# Altium PCB PCB1.PcbDoc (part 1 of 2)
Units mm, origin at the board's own origin, x right, y up, seen from the top; angles counter-clockwise.
Board outline 100.25 x 60.33 mm, 2 copper layers (Top Layer, Bottom Layer); 66 components, 155 nets, 397 pads, 41 vias.
Unrouted connection lines stored in the file: 16.
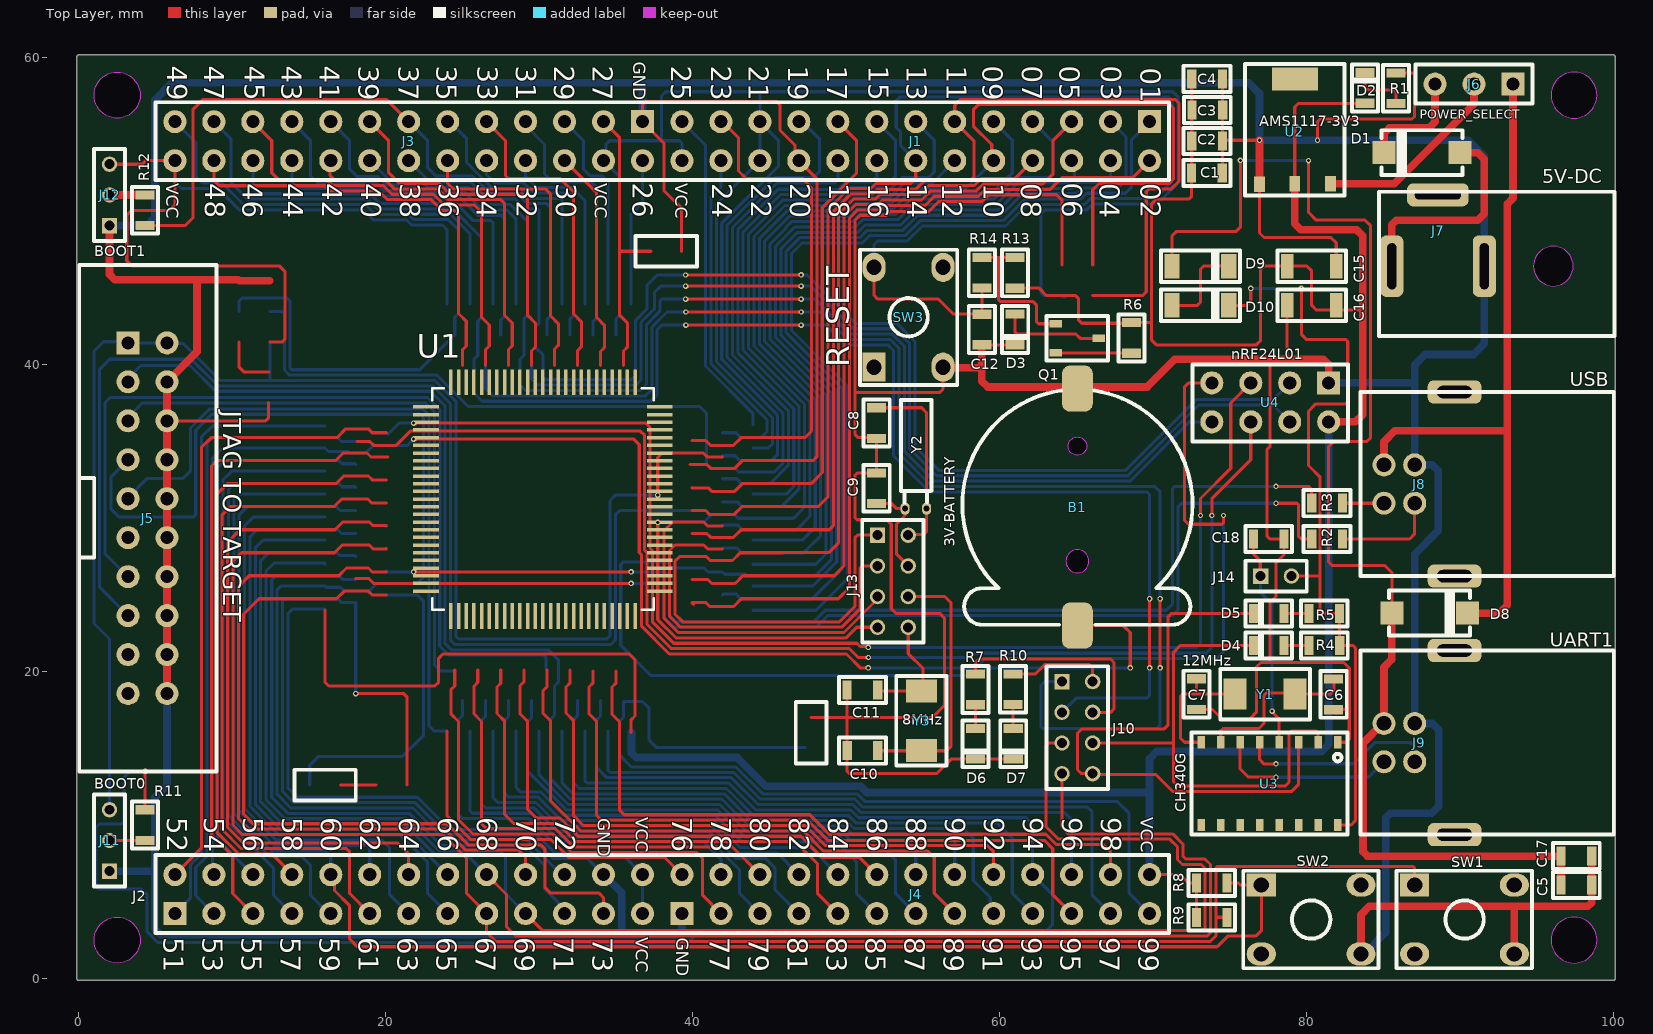
[diagram p0: Top Layer view]
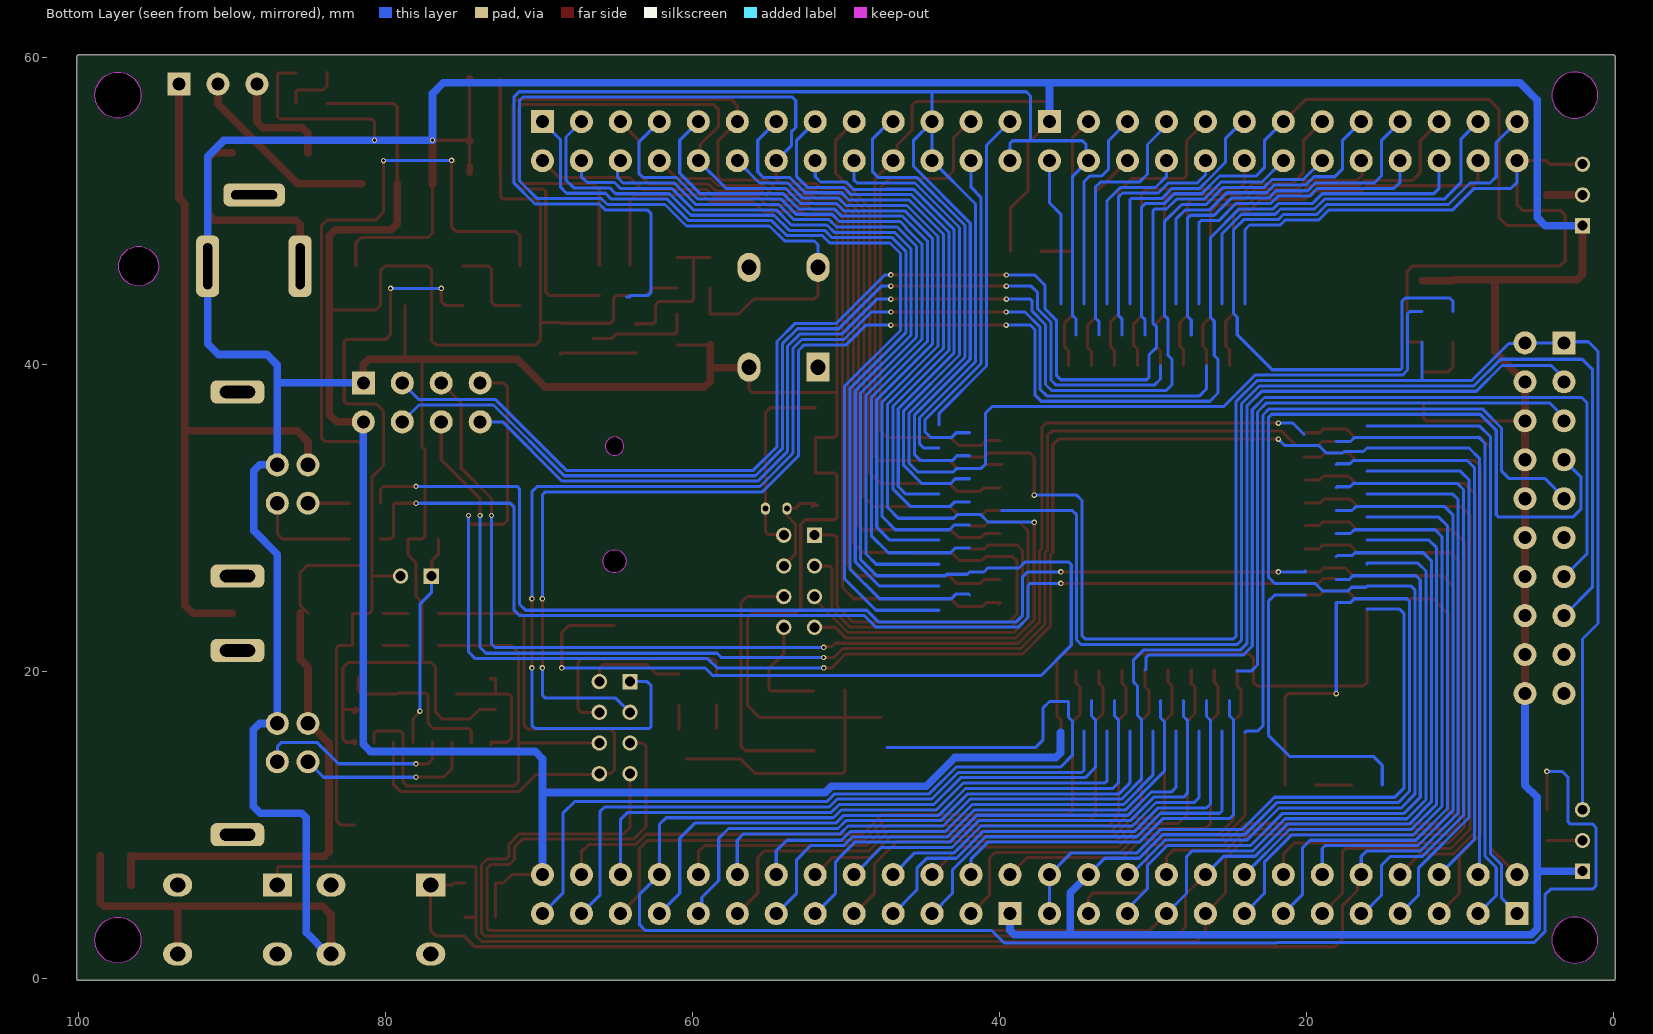
[diagram p1: Bottom Layer view, seen from below]

## Layer stack, top to bottom
Top Solder: solder mask 0.0102, Solder Resist, Dk 3.5
Top Layer: signal copper 0.0356
Dielectric 1: dielectric 0.32, FR-4, Dk 4.8
Bottom Layer: signal copper 0.0356
Bottom Solder: solder mask 0.0102, Solder Resist, Dk 3.5

## Board outline
0,-0.127 cw(c0,0) -0.127,0 -0.127,60 cw(c0,60) -0.122,60.036 -0.122,60.035 cw(c0,60.071) 0,60.198 100,60.198 cw(c100,60.071) 100.127,60.071 100.127,0.071 cw(c100,0.071) 100.122,0.036 100.122,0.035 cw(c100,0) 100.127,0 cw(c100,0) 100,-0.127
cut-out: 95.949,57.571 ccw(c97.449,57.571) 97.449,56.071 ccw(c97.449,57.571) 98.949,57.571 ccw(c97.449,57.571) 97.449,59.071 ccw(c97.449,57.571)
cut-out: 2.5,56.071 cw(c2.5,57.571) 1,57.571 cw(c2.5,57.571) 2.5,59.071 cw(c2.5,57.571) 4,57.571 cw(c2.5,57.571)
cut-out: 2.5,1 cw(c2.5,2.5) 1,2.5 cw(c2.5,2.5) 2.5,4 cw(c2.5,2.5) 4,2.5 cw(c2.5,2.5)
cut-out: 95.949,2.5 ccw(c97.449,2.5) 97.449,1 ccw(c97.449,2.5) 98.949,2.5 ccw(c97.449,2.5) 97.449,4 ccw(c97.449,2.5)
cut-out: 65.583,27.784
cut-out: 2.207,59.042

## Design rules (kind name [scope] priority, off if disabled: settings)
Clearance [All] p1: gap=0.15 ignorepadtopadclearanceinfootprint=FALSE
PolygonConnect [All] p1: connectstyle=Relief reliefconductorwidth=0.254 reliefentries=4 polygonreliefangle="90 Angle" airgapwidth=0.254
RoutingVias [All] p1: holewidth=0.2 width=0.35 viastyle="Through Hole" minholewidth=0.2 minwidth=0.35 maxholewidth=0.2 maxwidth=0.35
SolderMaskExpansion [All] p1: expansion=0.102
Width [All] p1: maxlimit=0.5 minlimit=0.2 preferedwidth=0.2
30 further rules are at their usual default settings.

## Components (designator, comment, footprint, x,y, rotation, side; value= is the part's Value field where it differs from the comment)
B1 "3V-BATTERY" CR1220 65.084,30.896 r0 top
C1 "103" C0805 73.525,52.5 r180 top
C2 "103" C0805 73.533,54.576 r180 top
C3 "103" C0805 73.549,56.608 r180 top
C4 "103" C0805 73.533,58.64 r180 top
C5 "103" C0805 97.597,6.1 r0 top
C6 "22pF" C0805 81.788,18.52 r90 top
C7 "22pF" C0805 72.84,18.536 r90 top
C8 "22pF" C0805 52,36.2 r270 top
C9 "22pF" C0805 52,31.95 r90 top
C10 "22pF" C0805 51.075,14.85 r180 top
C11 "22pF" C0805 51.075,18.8 r180 top
C12 "103" C0805 58.85,42.3 r270 top
C15 "104" C1206 80.35,46.425 r180 top
C16 "104" C1206 80.35,43.875 r180 top
C17 "103" C0805 97.597,7.992 r0 top
C18 "100nF" C0805 77.55,28.65 r180 top
D1 "1N4007" DO-214AC(SMA) 85.575,53.825 r0 top
D2 "LED0805" L0805RED 84.455,58.039 r90 top
D3 "LED0805" L0805RED 60.401,42.301 r270 top
D4 "LED0805" L0805RED 77.55,22.325 r180 top
D5 "LED0805" L0805RED 77.55,24.425 r180 top
D6 "LED0805" L0805RED 57.81,15.3 r270 top
D7 "LED0805" L0805RED 60.275,15.3 r270 top
D8 "1N4007" DO-214AC(SMA) 90.005,23.825 r180 top
D9 "1N4148" SOD-80 73.1,46.425 r0 top
D10 "1N4148" SOD-80 73.1,43.875 r0 top
J1 "Header 13x2 TH Pitch 2.54mm" "Header 13x2 TH Pitch 2.54mm" 54.546,54.571 r270 top
J2 "Header 13x2 TH Pitch 2.54mm" "Header 13x2 TH Pitch 2.54mm" 21.5,5.5 r90 top
J3 "Header 13x2 TH Pitch 2.54mm" "Header 13x2 TH Pitch 2.54mm" 21.5,54.571 r270 top
J4 "Header 13x2 TH Pitch 2.54mm" "Header 13x2 TH Pitch 2.54mm" 54.546,5.5 r90 top
J5 "JTAG TO TARGET" IDC_CONNECTOR_20_2.54 4.48,30 r0 top
J6 "POWER_SELECT" "Header 3x1 TH Pitch 2.54mm" 90.932,58.293 r180 top
J7 "5V-DC" DC_JACK_161-0721 91.6,46.425 r90 top
J8 "USB" USB-B-TYPE 86.062,32.227 r180 top
J9 "UART1" USB-B-TYPE 86.062,15.375 r180 top
J10 "PIN_HEADER_4X2_PITCH_2MM_HEIGTH_5MM" PIN_HEADER_4X2_PITCH_2MM_HEIGTH_5MM 65.075,16.35 r0 top
J11 "BOOT0" PIN_HEADER_1X3_PITCH_2MM_HEIGTH_5MM 2,9 r90 top
J12 "BOOT1" PIN_HEADER_1X3_PITCH_2MM_HEIGTH_5MM 2,51.071 r90 top
J13 "PIN_HEADER_4X2_PITCH_2MM_HEIGTH_5MM" PIN_HEADER_4X2_PITCH_2MM_HEIGTH_5MM 53.056,25.892 r0 top
J14 "3V3-TTL/5V-TTL" PIN_HEADER_2X1_PITCH_2MM_HEIGTH_5MM 78.026,26.227 r0 top
Q1 "2N3906" SOT23-3 65.075,41.725 r270 top
R1 "120" R0805 85.852,59.023 r90 top
R2 "22" R0805 80.35,28.65 r180 top
R3 "22" R0805 80.35,30.977 r180 top
R4 "1K5" R0805 80.175,21.7 r180 top
R5 "1K5" R0805 80.169,23.8 r180 top
R6 "120" R0805 68.6,40.75 r270 top
R7 "120" R0805 58.446,19.841 r90 top
R8 "10k" R0805 72.84,6.223 r180 top
R9 "10k" R0805 72.84,3.992 r180 top
R10 "120" R0805 60.875,19.85 r90 top
R11 "1k" R0805 4.318,9 r270 top
R12 "1k" R0805 4.318,51.071 r90 top
R13 "8K2" R0805 61.015,46.99 r90 top
R14 "1K" R0805 58.85,47 r90 top
SW1 "Button Hole" BUTTON_HOLE_5.0mm 90.312,3.846 r90 top
SW2 "Button Hole" BUTTON_HOLE_5.0mm 80.316,3.846 r90 top
SW3 "RESET" BUTTON_HOLE_5.0mm 54.075,43.1 r180 top
U1 "TM4C123GH6P" PZ100-M 30.25,31.25 r0 top
U2 "AMS1117-3V3" SOT223-3 79.248,55.245 r0 top
U3 "CH340G" SOP16_1.27_3.8 77.595,12.7 r270 top
U4 "nRF24L01" "Header 4x2 TH Pitch 2.54mm" 77.65,37.55 r270 top
Y1 "12MHz" SMD5032 79.267,18.542 r0 top
Y2 "32.768KHz" DT-26 54.55,30.475 r270 top
Y3 "8MHz" SMD5032 54.926,14.846 r270 top

## Footprints (in the part's own frame and the unit in brackets; to place one, negate y for a bottom-side part, rotate by r counter-clockwise, add the part's x,y. Pads: shape width x height; smd on the part's side, far side on the other; paste and mask are expansions set on the pad)
BUTTON_HOLE_5.0mm [mm]
  rect 1.5x1.9 hole 1: 1(2.25,3.25)
  oval 1.5x1.9 hole 1: 2(2.25,-3.25) 3(-2.25,3.25) 4(-2.25,-3.25)
  silkscreen extent -3.18,-4.4 3.18,4.43, body extent -3,-3.86 3,3.86, height 5
C0805 [mm]
  rect 0.6x1.24 smd: 1(-1,0) 2(1,0)
  silkscreen extent -1.52,-0.85 1.53,0.85, body extent -1,-0.6 1,0.6, height 1
C1206 [mm]
  rect 0.8x1.6 smd: 1(-1.6,0) 2(1.6,0)
  silkscreen extent -2.23,-1.02 2.22,1.02, body extent -1.6,-0.8 1.6,0.8, height 0.75
CR1220 [mm]
  rrect50% 2x3 smd: 1(0,-7.9) 2(0,7.55)
  Keep-Out Layer board cut-out: -0.75,-3.7 -0.693,-3.987 -0.53,-4.23 -0.287,-4.393 0,-4.45 0,-4.45 0.287,-4.393 0.53,-4.23 0.693,-3.987 0.75,-3.7 0.75,-3.7 0.693,-3.413 0.53,-3.17 0.287,-3.007 0,-2.95 0,-2.95 -0.287,-3.007 -0.53,-3.17 -0.693,-3.413 -0.75,-3.7
  Keep-Out Layer board cut-out: 0,3.2 -0.23,3.246 -0.424,3.376 -0.554,3.57 -0.6,3.8 -0.6,3.8 -0.554,4.03 -0.424,4.224 -0.23,4.354 0,4.4 0,4.4 0.23,4.354 0.424,4.224 0.554,4.03 0.6,3.8 0.6,3.8 0.554,3.57 0.424,3.376 0.23,3.246 0,3.2
  silkscreen extent -7.5,-7.84 7.5,7.43, body extent -7.5,-9.42 7.5,9.07, height 4.04
DC_JACK_161-0721 [mm]
  rrect50% 4x1.5 hole 0.6 slot 3 at 0 deg: 1(0,6.025) 2(0,0)
  rrect50% 1.5x4 hole 0.6 slot 3 at 90 deg: 3(4.65,3.025)
  Keep-Out Layer board cut-out: -1.3,-4.5 -1.201,-4.997 -0.919,-5.419 -0.497,-5.701 0,-5.8 0,-5.8 0.497,-5.701 0.919,-5.419 1.201,-4.997 1.3,-4.5 1.3,-4.5 1.201,-4.003 0.919,-3.581 0.497,-3.299 0,-3.2 0,-3.2 -0.497,-3.299 -0.919,-3.581 -1.201,-4.003 -1.3,-4.5
  silkscreen extent -4.55,-8.48 4.85,6.85, body extent -4.53,-8.5 4.83,6.8, height 11.5
DO-214AC(SMA) [mm]
  rect 1.5x1.5 smd: 1(4.43,0) 2(-0.5,0)
  silkscreen extent -0.67,-1.5 4.61,1.5, body extent -0.67,-1.46 4.61,1.46, height 2.41
DT-26 [mm]
  oval 0.8x0.6 hole 0.4: 1(-0.15,0.7) 2(-0.15,-0.7)
  silkscreen extent -7.24,-0.98 -0.54,1.02, body extent -7.14,-1 0,1, height 2
"Header 3x1 TH Pitch 2.54mm" [mm]
  rect 1.5x1.5 hole 0.85: 1(-2.54,0)
  round 1.5 hole 0.85: 2(0,0) 3(2.54,0)
  body extent -3.81,-1.27 3.81,1.27, height 8.89
"Header 4x2 TH Pitch 2.54mm" [mm]
  rect 1.5x1.5 hole 0.85: 1(-1.27,3.81)
  round 1.5 hole 0.85: 2(1.27,3.81) 3(-1.27,1.27) 4(1.27,1.27) 5(-1.27,-1.27) 6(1.27,-1.27) 7(-1.27,-3.81) 8(1.27,-3.81)
  body extent -2.54,-5.08 2.54,5.08, height 8.89
"Header 13x2 TH Pitch 2.54mm" [mm]
  rect 1.5x1.5 hole 0.85: 1(-1.27,15.24)
  round 1.5 hole 0.85: 2(1.27,15.24) 3(-1.27,12.7) 4(1.27,12.7) 5(-1.27,10.16) 6(1.27,10.16) 7(-1.27,7.62) 8(1.27,7.62) 9(-1.27,5.08) 10(1.27,5.08) 11(-1.27,2.54) 12(1.27,2.54) 13(-1.27,0) 14(1.27,0) 15(-1.27,-2.54) 16(1.27,-2.54) 17(-1.27,-5.08) 18(1.27,-5.08) 19(-1.27,-7.62) 20(1.27,-7.62) 21(-1.27,-10.16) 22(1.27,-10.16) 23(-1.27,-12.7) 24(1.27,-12.7) 25(-1.27,-15.24) 26(1.27,-15.24)
  body extent -2.54,-16.51 2.54,16.51, height 8.89
IDC_CONNECTOR_20_2.54 [mm]
  rect 1.5x1.5 hole 0.85: 1(-1.27,11.43)
  round 1.5 hole 0.85: 2(1.27,11.43) 3(-1.27,8.89) 4(1.27,8.89) 5(-1.27,6.35) 6(1.27,6.35) 7(-1.27,3.81) 8(1.27,3.81) 9(-1.27,1.27) 10(1.27,1.27) 11(-1.27,-1.27) 12(1.27,-1.27) 13(-1.27,-3.81) 14(1.27,-3.81) 15(-1.27,-6.35) 16(1.27,-6.35) 17(-1.27,-8.89) 18(1.27,-8.89) 19(-1.27,-11.43) 20(1.27,-11.43)
  silkscreen extent -4.45,-16.5 4.5,16.5, body extent -4.47,-16.6 4.42,16.6, height 9
L0805RED [mm]
  rect 0.6x1.24 smd: 1(-1,0.625) 2(1,0.625)
  silkscreen extent -1.53,-0.23 1.52,1.47, body extent -1,0 1,1.25, height 1.1
PIN_HEADER_1X3_PITCH_2MM_HEIGTH_5MM [mm]
  rect 1x1 hole 0.65: 1(-2,0)
  round 1 hole 0.65: 2(0,0) 3(2,0)
  body extent -3,-1 3,1, height 6.01
PIN_HEADER_2X1_PITCH_2MM_HEIGTH_5MM [mm]
  rect 1x1 hole 0.65: 1(-1,0)
  round 1 hole 0.65: 2(1,0)
  silkscreen extent -2,-1 2,1, body extent -2,-1 2,1, height 6.01
PIN_HEADER_4X2_PITCH_2MM_HEIGTH_5MM [mm]
  rect 1x1 hole 0.65: 1(-1,3)
  round 1 hole 0.65: 2(1,3) 3(-1,1) 4(1,1) 5(-1,-1) 6(1,-1) 7(-1,-3) 8(1,-3)
  silkscreen extent -2,-4 2,4, body extent -2,-4 2,4, height 6.01
PZ100-M [mil]
  rect 66x9 smd paste+0 mask+0: 1(-300,236.22) 2(-300,216.54) 3(-300,196.85) 4(-300,177.17) 5(-300,157.48) 6(-300,137.8) 7(-300,118.11) 8(-300,98.43) 9(-300,78.74) 10(-300,59.06) 11(-300,39.37) 12(-300,19.69) 13(-300,0) 14(-300,-19.68) 15(-300,-39.37) 16(-300,-59.06) 17(-300,-78.74) 18(-300,-98.43) 19(-300,-118.11) 20(-300,-137.8) 21(-300,-157.48) 22(-300,-177.17) 23(-300,-196.85) 24(-300,-216.54) 25(-300,-236.22) 51(300,-236.22) 52(300,-216.54) 53(300,-196.85) 54(300,-177.17) 55(300,-157.48) 56(300,-137.8) 57(300,-118.11) 58(300,-98.43) 59(300,-78.74) 60(300,-59.06) 61(300,-39.37) 62(300,-19.68) 63(300,0) 64(300,19.68) 65(300,39.37) 66(300,59.06) 67(300,78.74) 68(300,98.43) 69(300,118.11) 70(300,137.8) 71(300,157.48) 72(300,177.17) 73(300,196.85) 74(300,216.54) 75(300,236.22)
  rect 9x66 smd paste+0 mask+0: 26(-236.22,-300) 27(-216.54,-300) 28(-196.85,-300) 29(-177.17,-300) 30(-157.48,-300) 31(-137.8,-300) 32(-118.11,-300) 33(-98.43,-300) 34(-78.74,-300) 35(-59.06,-300) 36(-39.37,-300) 37(-19.68,-300) 38(0,-300) 39(19.68,-300) 40(39.37,-300) 41(59.06,-300) 42(78.74,-300) 43(98.43,-300) 44(118.11,-300) 45(137.8,-300) 46(157.48,-300) 47(177.17,-300) 48(196.85,-300) 49(216.54,-300) 50(236.22,-300) 76(236.22,300) 77(216.54,300) 78(196.85,300) 79(177.17,300) 80(157.48,300) 81(137.8,300) 82(118.11,300) 83(98.43,300) 84(78.74,300) 85(59.06,300) 86(39.37,300) 87(19.68,300) 88(0,300) 89(-19.68,300) 90(-39.37,300) 91(-59.06,300) 92(-78.74,300) 93(-98.43,300) 94(-118.11,300) 95(-137.8,300) 96(-157.48,300) 97(-177.17,300) 98(-196.85,300) 99(-216.54,300) 100(-236.22,300)
  silkscreen extent -285,-284 284,284, body extent -319,-319 319,319, height 63
R0805 [mm]
  rect 0.6x1.24 smd: 1(-2,0) 2(0,0)
  silkscreen extent -2.52,-0.85 0.53,0.85, body extent -2,-0.62 0,0.62, height 0.45
SMD5032 [mm]
  rect 1.5x2 smd: 1(-3.9,0) 2(0,0)
  silkscreen extent -4.87,-1.65 0.97,1.63, body extent -4.45,-1.6 0.55,1.6, height 1.2
SOD-80 [mm]
  rect 1x1.6 smd: 1(-1.85,0) 2(1.85,0)
  silkscreen extent -2.58,-1.02 2.58,1.02, body extent -1.82,-0.8 1.88,0.8, height 1.6
SOP16_1.27_3.8 [mm]
  rect 0.8x0.5 smd: 1(-2.7,4.445) 2(-2.7,3.175) 3(-2.7,1.905) 4(-2.7,0.635) 5(-2.7,-0.635) 6(-2.7,-1.905) 7(-2.7,-3.175) 8(-2.7,-4.445) 9(2.7,-4.445) 10(2.7,-3.175) 11(2.7,-1.905) 12(2.7,-0.635) 13(2.7,0.635) 14(2.7,1.905) 15(2.7,3.175) 16(2.7,4.445)
  silkscreen extent -3.32,-5.08 3.32,5.08, body extent -3.12,-4.99 3.12,4.99, height 1.59
SOT23-3 [mm]
  rect 0.5x0.8 smd: 1(-0.95,-1.4) 2(0.95,-1.4) 3(0,1.4)
  silkscreen extent -1.45,-2 1.45,2, body extent -1.45,-1.4 1.45,1.4, height 1.3
SOT223-3 [mm]
  rect 0.7x1 smd: 1(-2.3,-3.475) 2(0,-3.45) 3(2.325,-3.45)
  rect 3x1.5 smd: 4(0,3.375)
  silkscreen extent -3.25,-4.2 3.25,4.35, body extent -3.25,-3.5 3.25,3.5, height 1.7
USB-B-TYPE [mm]
  round 1.5 hole 0.95: 1(1,-1.25) 2(1,1.25) 3(-1,1.25) 4(-1,-1.25)
  rrect50% 3.5x1.5 hole 0.8 slot 2.3 at 0 deg: S1(-3.6,6) S2(-3.6,-6)
  silkscreen extent -13.98,-6 2.52,6, body extent -13.97,-7.42 2.53,7.37, height 11

## Part data
B1: library part Batery
C1 C2 C3 C4 C5 C6 C7 C8 C9 C10 C11 C12 C17: library part C0805
C15 C16: library part C1206
C18: library part Capacitors(SMD)
D1 D8: library part "Diode 1N4007-DO214AC(SMA)"
D9 D10: library part "1N4148 (SOD-80)"
J5: library part IDC_2.54_10x2
J6: library part "Header 3x1 TH Pitch 2.54mm"
J7: library part JackDC
J8 J9: library part "USB B Type"
J11 J12: library part PIN_HEADER_1X3_PITCH_2MM_HEIGTH_5MM
J14: library part PIN_HEADER_2X1_PITCH_2MM_HEIGTH_5MM
R1 R2 R3 R4 R5 R7 R10: library part R0805
R6 R8 R9 R11 R12 R13 R14: library part "Resistor SMD"
SW3: library part "Button Hole"
U2: library part AMS1117(SOT-223)
U4: library part "Header 4x2 TH Pitch 2.54mm"
Y1 Y3: library part Crystal
Y2: library part "Crystal 32.768KHz"

## Via types
v1: diameter 0.35, hole 0.2, Top Layer to Bottom Layer, 41 vias

## Nets (pads, with @x,y where several pads share a name; then routed paths per layer and width w, separated by ;. In a path a pad name is that pad's centre, name@x,y a point inside that pad or via, vN(x,y) a via of type N, cw(c..) or ccw(c..) an arc to the next point about the centre after c; other vN are vias at no path point)
3V3: C1.2 C2.2 C3.2 C4.2 C15.2 C16.1 D2.1 J1.26 J2.26 J5.1 J5.2 J11.3 J12.3 R6.1 R8.2 R9.2 R13.1 U2.2 U4.2 | length 507.5
  Top Layer w0.2: J12.3@2,53.071 4.125,53.071 4.355,53.301 6.26,53.301 6.26,50.416 5.91,50.066 3.452,50.066 3.125,49.739 3.125,46.777 3.452,46.45 13.066,46.45 13.425,46.091 13.425,41.656 13.244,41.475 12.45,41.475 ; v1(37.731,31.5) 37.731,33.956 38.025,34.25 39.539,34.25 40.361,34.25 40.706,34.25 40.956,34 41.95,34 ; R13.1@61.015,44.99 62.592,44.99 63.073,44.509 64.084,44.509 64.964,44.509 65.143,44.33 65.143,42.934 65.371,42.707 R6.1@68.564,42.707 ; R6.1@68.6,42.75 69.875,42.75 69.917,42.792 ; 69.786,6.77 71.774,6.77 72.321,6.223 R8.2@72.84,6.223 R9.2@72.84,3.992 ; C4.2@72.533,58.64 C2.2@72.533,54.576 72.533,52.508 C1.2@72.525,52.5 72.525,50.983 72.336,50.794 70.225,50.794 69.917,50.486 69.917,42.792 ; U2.2@79.248,51.795 79.248,56.798 79.489,57.039 D2.1@83.83,57.039 ; 83.67,43.575 80.645,43.575 80.35,43.87 80.35,46.122 80.047,46.425 C15.2@78.75,46.425 77.241,46.425 77.026,46.21 77.026,41.585 76.741,41.3 70.225,41.3 69.917,41.608 69.917,42.792
  Top Layer w0.5: U2.2@79.248,51.795 79.248,49.202 79.65,48.8 83.27,48.8 83.67,48.4 83.67,43.575 83.67,36.75 83.2,36.28 U4.2@81.46,36.28
  Bottom Layer w0.2: J11.3@2,11 2,22.125 0.985,23.14 0.985,40.879 1.607,41.501 3.21,41.501 J5.1@3.333,41.624 ; J5.1@3.21,41.43 J5.2@5.75,41.43 5.795,41.385 6.8,41.385 9.211,38.975 12.45,38.975 ; 6.26,53.301 6.26,51.9 6.663,51.497 9.051,51.497 10.451,50.097 18.525,50.097 19.173,49.449 21.355,49.449 21.692,49.112 23.697,49.112 24,48.809 24,43.95 ; 12.45,41.475 12.45,38.975 ; 16.05,24.071 13.914,24.071 13.623,23.78 13.623,12.425 14.234,11.814 22.069,11.814 24.163,9.72 29.497,9.72 31.027,8.19 35.32,8.19 J2.26@36.74,6.77 36.74,4.23 ; 35,41.95 35,42.986 35.25,43.236 35.25,52.251 34.2,53.301 34.351,53.452 34.351,54.351 34.6,54.6 37.973,54.6 ; v1(37.731,31.5) 34.97,31.5 34.62,31.15 34.62,22.33 34.415,22.125 24.75,22.125 24.592,22.283 24.592,37.583 23.2,38.975 12.45,38.975 ; J1.26@39.306,53.301 39.306,54.433 39.139,54.6 37.973,54.6 ; 41.95,34.071 42.764,34.071 43.085,33.75 45.125,33.75 45.546,34.171 45.546,36.706 41.9,40.352 41.9,49.231 45.593,52.924 45.593,54.634 44.386,55.841 ; 43.022,14.14 44.772,12.39 50.956,12.39 ; 43.95,34.571 44.937,34.571 45.196,34.83 45.196,36.561 41.561,40.196 41.561,50.476 44.386,53.301 44.386,55.841 ; 64.084,44.425 64.302,44.425 ; 64.084,44.509 62.912,44.509 62.7,44.722 62.7,49.85 62.947,50.097 65.695,50.097 66.076,50.478 70.271,50.478 71.625,51.832 71.625,57.473 71.303,57.795 44.4,57.795 ; 37.973,54.6 37.973,57.523 38.245,57.795 44.4,57.795 ; 44.386,55.841 44.386,57.781 44.4,57.795
  Bottom Layer w0.5: 36,16.05 36.025,16.025 36.025,14.7 36.325,14.4 42.914,14.4 44.777,12.537 50.943,12.537 51.355,12.125 69.604,12.125 69.786,12.307 ; 69.786,6.77 69.786,12.307 ; U4.2@81.46,36.28 81.46,15.26 81,14.8 70.261,14.8 69.786,14.325 69.786,12.307
BAT: B1.1
BT1: R9.1 SW1.1
BT2: R8.1 SW2.1
GND: B1.2 C1.1 C2.1 C3.1 C4.1 C5.2 C6.1 C7.1 C8.2 C9.2 C10.2 C11.2 C12.2 C15.1 C16.2 C17.2 C18.1 D3.2 D6.2 D7.2 J3.1 J4.1 J5.4 J5.6 J5.8 J5.10 J5.12 J5.14 J5.16 J5.18 J5.20 J7.2 J8.4 J9.4 J11.1 J12.1 R1.2 SW1.4 SW2.4 SW3.3 U2.1 U3.1 U4.1 | length 617.4
  Top Layer w0.2: J5.6@5.751,36.35 12.175,36.35 12.376,36.551 12.376,37.539 ; v1(18.05,18.57) 21.18,18.57 21.378,18.372 21.378,12.609 ; 39.291,47.4 39.291,50.197 38.144,51.344 38.144,54.437 J3.1@36.74,55.841 36.75,55.851 36.75,56.975 36.925,57.15 45.475,57.15 45.7,56.925 45.7,55.291 46.677,54.314 46.677,53.55 46.926,53.301 48.1,52.127 48.1,34 47.85,33.75 43.24,33.75 42.74,33.25 41.539,33.25 41.182,33.25 40.932,33.5 39.95,33.5 39.85,33.5 ; 47.725,17.024 50.075,17.024 ; C11.2@50.075,18.799 50.075,17.024 ; SW3.3@56.325,39.85 56.325,38.412 56.113,38.2 50.574,38.2 ; C12.2@58.85,41.3 D3.2@61.026,41.301 ; D7.2@60.435,14.3 D6.2@58.435,14.3 56.852,14.3 55.902,13.35 50.224,13.35 50.075,13.499 C10.2@50.075,14.85 50.075,17.024 ; 64.084,46.509 64.084,50.724 63.725,51.083 59.3,51.083 58.85,50.633 56.033,50.633 55.378,49.978 52.856,49.978 52.622,49.744 50.92,49.744 50.575,49.399 50.575,38.201 50.574,38.2 ; C7.1@72.84,17.536 73.891,17.536 74.512,16.915 76.306,16.915 76.741,17.35 76.741,20.301 77.042,20.602 77.625,20.602 ; C1.1@74.529,52.936 C4.1@74.529,58.636 ; C2.1@74.533,54.585 C4.1@74.533,58.64 ; C2.1@74.583,54.635 v1(76.948,54.635) ; U2.1@76.948,51.77 76.948,48.593 77.241,48.3 81.6,48.3 81.95,47.95 C15.1@81.95,46.425 ; 77.625,40.362 77.625,34.656 77.425,34.456 77.425,28.85 77.625,28.65 C18.1@78.55,28.65 78.55,27.612 78.025,27.087 78.025,24.892 77.625,24.492 77.625,20.602 ; 78.65,40.362 78.75,40.462 C16.2@78.75,43.875 ; v1(80.728,54.635) 80.728,55.841 80.9,56.013 86.89,56.013 87.062,56.185 87.062,58.906 86.945,59.023 R1.2@85.852,59.023 ; C6.1@81.788,17.52 81.94,17.52 82.8,17.52 ; U3.1@82.04,15.4 82.59,15.4 82.8,15.61 82.8,17.52 ; 50.075,17.024 55.645,17.024 56.425,17.804 56.425,23.488 56.113,23.8 53.259,23.8 52.95,24.109 52.95,29.608 52.657,29.902 50.724,29.902 50.574,30.051 50.574,32.781 50.743,32.95 C9.2@52,32.95 52,35.2 51.95,35.25 50.799,35.25 50.574,35.475 50.574,38.2 ; 77.625,20.602 82.434,20.602 82.8,20.237 82.8,17.52
  Top Layer w0.4: C1.1@74.525,52.5 74.525,52.932 C1.1@74.529,52.936 ; C6.1@81.94,17.52 C6.1@82.04,17.42 ; U3.1@82.04,15.4 U3.1@82.042,15.402
  Top Layer w0.5: J12.1@2,49.071 2,45.901 2.351,45.55 7.7,45.55 ; J5.20@5.751,18.57 J5.18@5.751,21.11 J5.16@5.751,23.65 J5.14@5.751,26.19 J5.12@5.751,28.73 J5.10@5.751,31.27 J5.8@5.751,33.81 J5.6@5.751,36.35 J5.4@5.751,38.89 7.7,40.84 7.7,45.55 ; 10.376,45.55 7.7,45.55 ; 10.45,45.475 12.45,45.475 ; SW3.3@56.325,39.85 56.375,39.8 58.85,39.8 ; C12.2@58.85,41.3 58.85,39.8 ; C4.1@74.529,58.636 C4.1@74.533,58.64 ; C2.1@74.533,54.585 C2.1@74.583,54.635 ; U2.1@76.948,51.77 v1(76.948,54.635) ; U4.1@81.46,38.82 81.46,40.015 81.113,40.362 78.65,40.362 77.625,40.362 71.437,40.362 69.631,38.556 59.229,38.556 58.85,38.935 58.85,39.8 ; SW2.4@83.566,1.596 83.566,4.167 84.099,4.7 93.562,4.7 ; SW1.4@93.562,1.596 93.562,4.7 ; C17.2@98.597,7.993 C5.2@98.597,6.1 98.597,4.95 98.347,4.7 93.562,4.7
  Bottom Layer w0.2: v1(18.05,18.57) 18.05,24.5 17.135,24.5 16.885,24.75 13.443,24.75 13.273,24.58 13.273,12.202 14.011,11.464 21.924,11.464 24.018,9.37 29.352,9.37 30.882,7.84 33.13,7.84 34.2,6.77 ; 35.375,2.925 35.45,2.85
  Bottom Layer w0.5: J11.1@2,7 4.953,7 ; J12.1@2,49.071 4.427,49.071 4.953,49.597 4.953,57.253 6.075,58.375 36.74,58.375 ; J5.20@5.751,18.57 5.751,12.609 4.953,11.812 4.953,7 ; 34.2,6.77 35.375,5.595 35.375,2.925 ; J3.1@36.74,55.841 36.74,58.375 ; J4.1@39.306,4.23 39.306,3.131 39.025,2.85 35.45,2.85 5.35,2.85 4.953,3.247 4.953,7 ; U4.1@81.46,38.82 86.953,38.82 87.062,38.711 ; SW2.4@83.566,1.596 83.766,1.596 85.175,3.005 85.175,10.471 85.468,10.764 88.175,10.764 88.639,11.228 88.639,16.202 88.216,16.625 J9.4@87.062,16.625 87.062,27.662 88.6,29.2 88.6,33.094 88.217,33.477 J8.4@87.062,33.477 87.062,38.711 ; SW1.4@93.362,1.596 SW1.4@93.562,1.596 ; 36.74,58.375 76.25,58.375 76.948,57.677 v1(76.948,54.635) v1(80.728,54.635) 90.54,54.635 91.6,53.575 J7.2@91.6,46.425 91.6,41.375 90.9,40.675 87.75,40.675 87.062,39.987 87.062,38.711
JNRST: J5.3
JTCK: J5.9 | length 45.4
  Bottom Layer w0.2: J5.9@3.211,31.341 4.468,32.598 6.797,32.598 7.27,33.071 7.27,35.883 7.283,35.883 8.525,37.125 22.425,37.125 22.825,36.725 22.825,16.475 23.175,16.125 23.925,16.125 24,16.05
JTDI: J5.5 | length 38.8
  Bottom Layer w0.2: J5.5@3.048,36.421 4.148,37.521 22.579,37.521 23.175,36.925 23.175,20.434 23.559,20.05 24.5,20.05
JTDO: J5.13 | length 57.7
  Bottom Layer w0.2: J5.13@3.211,26.19 1.7,27.701 1.7,37.514 2.057,37.871 22.724,37.871 23.525,37.07 23.525,21.675 24.125,21.075 30.279,21.075 30.454,20.9 30.454,20.167 30.5,20.121
JTMS: J5.7
LED1: J10.1 | length 86.5
  Top Layer w0.2: v1(39.558,43.439) v1(47.078,43.439) ; v1(70.475,20.25) v1(70.475,24.75)
  Bottom Layer w0.2: 26.5,39.95 26.5,38.429 26.954,37.975 36.925,37.975 37.343,38.393 37.343,42.443 38.338,43.439 v1(39.558,43.439) ; v1(47.078,43.439) 48.345,43.439 50.134,41.65 52.876,41.65 53.449,41.077 53.449,34.228 55.608,32.069 70.126,32.069 70.475,31.72 v1(70.475,24.75) ; J10.1@64.075,19.35 62.955,19.35 62.7,19.095 62.7,16.425 62.825,16.3 70.261,16.3 70.475,16.514 v1(70.475,20.25)
LED2: J10.3
NetC5_1: C5.1 C17.1 D8.1 D9.1 J9.1 | length 86.1
  Top Layer w0.2: D9.1@71.25,46.425 71.25,48.4 71.55,48.7 75.433,48.7 75.7,48.967 v1(75.7,53.325) ; v1(80.142,53.301) 80.142,49.933 80.65,49.425 83.83,49.425 84.17,49.085 84.17,35.216 83.948,34.994 81.779,34.994 81.46,34.675 81.46,27.152 81.704,26.909 85.13,26.909 85.575,26.464 85.575,24.313 D8.1@85.062,23.8
  Top Layer w0.5: D8.1@85.575,23.825 85.575,20.796 85.062,20.283 J9.1@85.062,16.625 84.975,16.625 83.7,15.35 83.7,8.268 83.993,7.975 96.579,7.975 C17.1@96.597,7.993 C5.1@96.597,6.1
  Bottom Layer w0.2: v1(75.7,53.325) v1@80.142,53.325
NetC6_2: C6.2 U3.7 Y1.2 | length 11.1
  Top Layer w0.2: U3.7@74.42,15.4 74.422,15.402 74.422,16.147 74.575,16.3 76.918,16.3 77.235,16.617 77.235,18.456 77.379,18.6 79.209,18.6 Y1.2@79.267,18.542 81.573,18.542 81.807,18.776 81.807,19.501 C6.2@81.788,19.52 ; C6.2@81.788,19.653 C6.2@81.807,19.653
NetC7_2: C7.2 U3.8 Y1.1 | length 9.4
  Top Layer w0.2: U3.8@73.15,15.4 U3.8@73,15.4 ; U3.8@73.152,15.248 U3.8@73,15.4 ; C7.2@73.16,19.536 C7.2@72.84,19.536 72.84,18.542 ; Y1.1@75.367,18.542 72.84,18.542 ; 72.84,18.542 71.95,18.542 71.787,18.379 71.787,15.677 72.065,15.4 U3.8@73,15.4
NetC8_1: C8.1 J13.2 Y2.1 | length 12.6
  Top Layer w0.2: C8.1@52,37.2 54.93,37.2 55.25,36.88 Y2.1@55.25,30.625 55.25,29.1 55.077,28.927 54.091,28.927 J13.2@54.056,28.892 ; J13.2@53.672,28.775 J13.2@53.789,28.892
NetC9_1: C9.1 J13.4 Y2.2 | length 6.9
  Top Layer w0.2: C9.1@51.827,30.825 C9.1@52.125,30.825 ; C9.1@51.961,30.918 C9.1@52.032,30.918 ; C9.1@52,30.95 C9.1@52.032,30.918 ; C9.1@52.075,30.95 52.989,30.95 53.314,30.625 Y2.2@53.85,30.625 53.85,30.178 53.3,29.628 53.3,27.648 J13.4@54.056,26.892 ; C9.1@52.125,30.918 C9.1@52.032,30.918 ; C9.1@52.2,30.75 C9.1@52.125,30.825 ; C9.1@52.032,30.918 C9.1@52.125,30.825
NetC10_1: C10.1 J13.6 Y3.2 | length 17.2
  Top Layer w0.2: C10.1@52.075,14.85 52.078,14.846 Y3.2@54.926,14.846 56.55,14.846 56.852,15.148 56.852,24.473 56.433,24.892 J13.6@54.056,24.892
NetC11_1: C11.1 J13.8 Y3.1 | length 7.4
  Top Layer w0.2: C11.1@52.128,18.746 Y3.1@54.926,18.746 55.028,18.849 55.028,20.203 54.056,21.176 J13.8@54.056,22.892
NetC18_2: C18.2 J14.1 U3.4 | length 13.9
  Top Layer w0.2: C18.2@76.55,28.65 76.55,27.68 76.998,27.232 76.998,26.255 J14.1@77.026,26.227 ; v1(77.775,17.425) 77.775,17.37 78.23,16.915 U3.4@78.23,15.4
  Bottom Layer w0.2: J14.1@77.026,26.227 77.026,25.149 77.775,24.4 v1(77.775,17.425)
NetD1_1: D1.1 J7.1 | length 14.4
  Top Layer w0.5: J7.1@85.575,46.425 85.575,49.132 85.868,49.425 91.175,49.425 91.6,49.85 91.6,53.4 91.175,53.825 D1.1@90.005,53.825
NetD1_2: D1.2 J6.3 | length 7.4
  Top Layer w0.5: D1.2@85.062,53.825 D1.2@85.075,53.825 85.075,55.1 85.425,55.45 88.001,55.45 88.392,55.841 J6.3@88.392,58.293
NetD2_2: D2.2 R1.1 | length 3.8
  Top Layer w0.2: D2.2@83.83,59.039 83.83,58.156 84.074,57.912 85.735,57.912 85.852,57.795 R1.1@85.852,57.023
NetD3_1: D3.1 Q1.3 | length 6.8
  Top Layer w0.2: D3.1@61.026,43.301 61.026,42.121 61.155,41.993 64.995,41.993 65.263,41.725 Q1.3@66.475,41.725
NetD4_1: D4.1 R4.2 | length 1.6
  Top Layer w0.2: D4.1@78.55,21.7 R4.2@80.175,21.7
NetD4_2: D4.2 J10.6 U3.2 | length 32.6
  Top Layer w0.2: J10.6@66.075,15.35 71.304,15.35 71.347,15.307 ; D4.2@76.55,21.7 71.779,21.7 71.354,21.274 71.354,20.803 71.347,20.796 71.347,15.307 ; U3.2@80.77,15.4 80.77,15.98 80.621,16.129 79.038,16.129 78.867,15.958 78.867,12.8 78.608,12.541 71.634,12.541 71.347,12.828 71.347,15.307
NetD5_1: D5.1 R5.2 | length 1.6
  Top Layer w0.2: D5.1@78.55,23.8 R5.2@80.169,23.8
NetD5_2: D5.2 J10.8 U3.3 | length 39.1
  Top Layer w0.2: J10.8@66.075,13.307 70.174,13.307 71.29,12.191 76.198,12.191 76.206,12.183 79.025,12.183 79.5,12.658 U3.3@79.5,15.4 ; J10.8@66.075,13.35 65.35,13.35 65.084,13.616 65.084,15.987 65.346,16.25 70.705,16.25 70.997,16.542 70.997,23.579 71.218,23.8 D5.2@76.55,23.8
NetD6_1: D6.1 R7.1 | length 1.5
  Top Layer w0.2: D6.1@58.435,16.3 58.435,17.829 R7.1@58.446,17.841
NetD7_1: D7.1 R10.1 | length 1.5
  Top Layer w0.2: D7.1@60.885,16.275 60.885,17.804 R10.1@60.896,17.816
NetD8_2: D8.2 J6.1 J8.1 | length 47.3
  Top Layer w0.5: J8.1@85.062,33.477 85.062,34.994 85.768,35.7 93.1,35.7 ; D8.2@89.992,23.8 92.575,23.8 93.1,24.325 93.1,35.7 ; J6.1@93.472,58.293 93.472,50.847 93.1,50.475 93.1,35.7
NetD9_2: D9.2 D10.1 | length 6
  Top Layer w0.2: D10.1@71.25,43.875 71.255,43.87 72.895,43.87 73.1,44.075 73.1,46.225 73.3,46.425 D9.2@74.95,46.425
NetD10_2: D10.2 J14.2 R4.1 R5.1 U3.16 | length 50.9
  Top Layer w0.2: D10.2@74.95,43.875 76.125,43.875 76.38,44.13 v1(76.38,44.981) ; J14.2@79.026,26.227 80.9,26.227 ; v1(79.679,44.981) 79.679,41.993 80.031,41.641 82.57,41.641 82.7,41.512 82.7,37.6 82.558,37.458 80.625,37.458 80.142,36.975 80.142,33.433 80.9,32.675 80.9,26.227 ; U3.16@82.04,10 82.925,10 83.2,10.275 83.2,21.55 83.05,21.7 R4.1@82.175,21.7 82.169,21.706 R5.1@82.169,23.8 81.075,23.8 80.9,23.975 80.9,26.227
  Bottom Layer w0.2: v1(76.38,44.981) v1(79.679,44.981)
NetJ6_2: J6.2 U2.3 | length 12.8
  Top Layer w0.5: U2.3@81.573,51.795 85.72,51.795 90.932,57.007 J6.2@90.932,58.293
NetJ8_2: J8.2 R3.1 | length 2.7
  Top Layer w0.2: R3.1@82.35,30.977 J8.2@85.062,30.977
NetJ8_3: J8.3 R2.1 | length 6.9
  Top Layer w0.2: R2.1@82.35,28.65 86.733,28.65 87.062,28.979 J8.3@87.062,30.977
  Top Layer w0.5: J8.3@87.05,30.965 J8.3@87.062,30.977
NetJ9_2: J9.2 U3.6 | length 11.8
  Top Layer w0.2: U3.6@75.69,15.4 75.69,13.653 76.198,13.145 77.998,13.145 v1(78.023,13.12)
  Bottom Layer w0.2: v1(78.023,13.12) 84.057,13.12 J9.2@85.062,14.125
NetJ9_3: J9.3 U3.5 | length 13.1
  Top Layer w0.2: U3.5@76.96,15.4 76.96,14.27 77.235,13.995 v1(78.023,13.995)
  Bottom Layer w0.2: v1(78.023,13.995) 78.026,13.998 83.075,13.998 84.452,15.375 86.806,15.375 87.062,15.119 J9.3@87.062,14.125 ; J9.3@86.935,14.086 J9.3@86.935,14.125
NetJ10_2: J10.2 R10.2 | length 6.7
  Top Layer w0.2: R10.2@60.875,19.85 62.342,19.85 62.97,20.478 65.834,20.478 66.075,20.237 J10.2@66.075,19.35 ; J10.2@66.407,19.121 J10.2@66.407,19.35
NetJ10_4: J10.4 R7.2 | length 14.5
  Top Layer w0.2: R7.2@58.446,19.841 58.446,20.637 58.638,20.828 67.246,20.828 67.471,20.602 67.471,17.576 67.246,17.35 J10.4@66.075,17.35
NetJ11_2: J11.2 R11.2 | length 2.3
  Top Layer w0.2: J11.2@2,9 R11.2@4.318,9
NetJ12_2: J12.2 R12.2 | length 2.3
  Top Layer w0.5: J12.2@2,51.071 R12.2@4.318,51.071
NetQ1_1: Q1.1 R13.2 R14.2 | length 9.9
  Top Layer w0.2: R14.2@58.85,47 58.86,46.99 59.938,46.99 ; R13.2@61.015,46.99 59.938,46.99 ; Q1.1@63.675,42.607 Q1.1@63.684,42.607 ; Q1.1@63.675,42.675 62.542,42.675 62.425,42.792 62.425,43.871 62.166,44.13 60.055,44.13 59.938,44.248 59.938,46.99
NetQ1_2: Q1.2 R6.2 | length 5
  Top Layer w0.2: Q1.2@63.675,40.775 68.575,40.775 R6.2@68.6,40.75 ; R6.2@68.564,40.707 R6.2@68.596,40.675
nRF_CE: U4.3
nRF_CSN: U4.4
nRF_IRQ: U4.8
PIN01: J1.1 | length 58.4
  Bottom Layer w0.2: 43.95,24 48.05,24 50.096,26.046 50.096,38.591 46.45,42.237 46.45,47.251 47.134,47.935 51.053,47.935 51.53,48.412 53.851,48.412 54.836,49.397 60.252,49.397 61.652,50.797 65.297,50.797 65.678,51.178 68.212,51.178 68.596,51.562 68.596,54.652 J1.1@69.786,55.841
PIN02: J1.2 | length 56.2
  Top Layer w0.2: 40.064,24.386 39.95,24.5 40.871,24.5 41.12,24.25 42.679,24.25 43.179,24.75 43.95,24.75 49.495,24.75 50.224,25.479 50.224,49.543 50.775,50.094 52.201,50.094 52.492,50.385 55.155,50.385 55.753,50.983 58.641,50.983 59.091,51.433 63.308,51.433 64.072,52.197 68.681,52.197 J1.2@69.786,53.301
PIN03: J1.3 | length 59.3
  Bottom Layer w0.2: 41.95,25 42.021,25.071 42.816,25.071 43.137,24.75 47.8,24.75 49.746,26.696 49.746,38.446 46.1,42.092 46.1,47.396 46.989,48.285 50.908,48.285 51.385,48.762 53.706,48.762 54.691,49.747 60.107,49.747 61.507,51.147 65.024,51.147 65.405,51.528 67.749,51.528 68.246,52.025 68.246,54.841 J1.3@67.246,55.841
PIN04: J1.4 | length 52.5
  Bottom Layer w0.2: 43.95,25.571 47.813,25.571 49.396,27.154 49.396,38.301 45.75,41.947 45.75,47.541 46.844,48.635 50.763,48.635 51.24,49.112 53.561,49.112 54.546,50.097 59.962,50.097 61.365,51.5 64.706,51.5 65.084,51.878 66.868,51.878 67.246,52.256 J1.4@67.246,53.301
PIN05: J1.5 | length 52
  Top Layer w0.2: 39.95,26 41.01,26 41.26,25.75 42.779,25.75 43.279,26.25 44.361,26.25 49.231,26.25 49.874,26.892 49.874,49.688 50.63,50.444 52.056,50.444 52.347,50.735 54.919,50.735 55.517,51.333 58.496,51.333 58.946,51.783 62.832,51.783 63.5,52.451 63.5,54.635 J1.5@64.706,55.841
PIN06: J1.6 | length 104.5
  Top Layer w0.2: 65.084,22.996 68.079,22.996 68.525,22.55 v1(68.525,20.243)
  Bottom Layer w0.2: J1.6@64.706,53.301 64.897,53.11 64.897,52.214 64.533,51.85 61.193,51.85 59.817,50.474 59.817,50.447 54.374,50.447 53.389,49.462 51.095,49.462 50.618,48.985 46.67,48.985 45.4,47.715 45.4,41.802 49.046,38.156 49.046,27.299 47.997,26.25 46.179,26.25 43.539,26.25 43.442,26.347 42.103,26.347 41.95,26.5 41.011,26.5 40.761,26.75 38.723,26.75 38.319,27.154 35.5,27.154 35.32,26.974 35.32,21.711 37.281,19.75 58.69,19.75 59.183,20.243 v1(68.525,20.243)
PIN07: J1.7 | length 51
  Bottom Layer w0.2: 43.95,27 48.032,27 48.696,27.664 48.696,38.011 45.05,41.657 45.05,47.86 46.101,48.912 46.101,48.978 46.458,49.335 50.426,49.335 50.903,49.812 53.244,49.812 54.229,50.797 59.645,50.797 61.048,52.2 63.22,52.2 63.5,52.48 63.5,54.507 J1.7@62.166,55.841
PIN08: J1.8 J13.1 | length 68.7
  Top Layer w0.2: J13.1@52.056,28.892 50.747,28.892 50.574,28.719 50.574,24.248 49.576,23.25 39.354,23.25 38.844,23.76 38.844,27.188 39.156,27.5 39.95,27.5 40.898,27.5 41.148,27.25 42.6,27.25 43.1,27.75 45.9,27.75 45.91,27.76 48.873,27.76 49.524,28.411 49.524,49.833 50.485,50.794 51.911,50.794 52.202,51.085 54.774,51.085 55.372,51.683 58.351,51.683 58.801,52.133 60.997,52.133 J1.8@62.166,53.301
PIN09: J1.9 J13.3 | length 74.6
  Top Layer w0.2: 41.95,28 40.973,28 40.723,28.25 38.849,28.25 38.494,27.895 38.494,23.615 39.209,22.9 49.721,22.9 50.924,24.103 50.924,26.738 51.079,26.892 J13.3@52.056,26.892
  Bottom Layer w0.2: 41.95,28.071 42.868,28.071 43.189,27.75 47.228,27.75 48.346,28.868 48.346,37.866 44.7,41.512 44.7,48.072 46.313,49.685 50.279,49.685 50.756,50.162 53.099,50.162 54.084,51.147 59.5,51.147 60.833,52.48 60.833,54.634 J1.9@59.626,55.841
PIN10: J1.10 | length 74.3
  Top Layer w0.2: J1.10@59.626,53.301 59.501,53.426 59.501,54.351 58.3,55.552 58.3,56.625 58.625,56.95 71.138,56.95 71.35,56.738 71.35,52.107 71.059,51.816 66.491,51.816 66.084,51.409 66.084,46.509
  Bottom Layer w0.2: 43.95,28.571 47.147,28.571 47.996,29.42 47.996,37.721 44.35,41.367 44.35,48.217 46.168,50.035 50.134,50.035 50.611,50.512 52.954,50.512 53.939,51.497 57.822,51.497 J1.10@59.626,53.301
PIN11: J1.11 | length 77.9
  Top Layer w0.2: 39.95,29 40.933,29 41.182,28.75 42.669,28.75 43.169,29.25 44.854,29.25 ; 44.854,29.25 48.912,29.25 49.174,29.512 49.174,49.978 50.34,51.144 51.766,51.144 52.057,51.435 54.546,51.435 55.144,52.033 58.129,52.033 58.351,52.255 58.351,54.576 J1.11@57.086,55.841 57.086,56.9 57.486,57.3 71.439,57.3 71.7,57.039 71.7,51.963 71.203,51.466 69.75,51.466 69.567,51.283 69.567,44.75 69.327,44.509 66.084,44.509